# Altium PCB SSR IO.PcbDoc
Units mil, origin at the board's own origin, x right, y up, seen from the top; angles counter-clockwise.
Board outline 3421 x 4245 mil, 2 copper layers (Top Layer, Bottom Layer); 139 components, 126 nets, 425 pads, 86 vias.
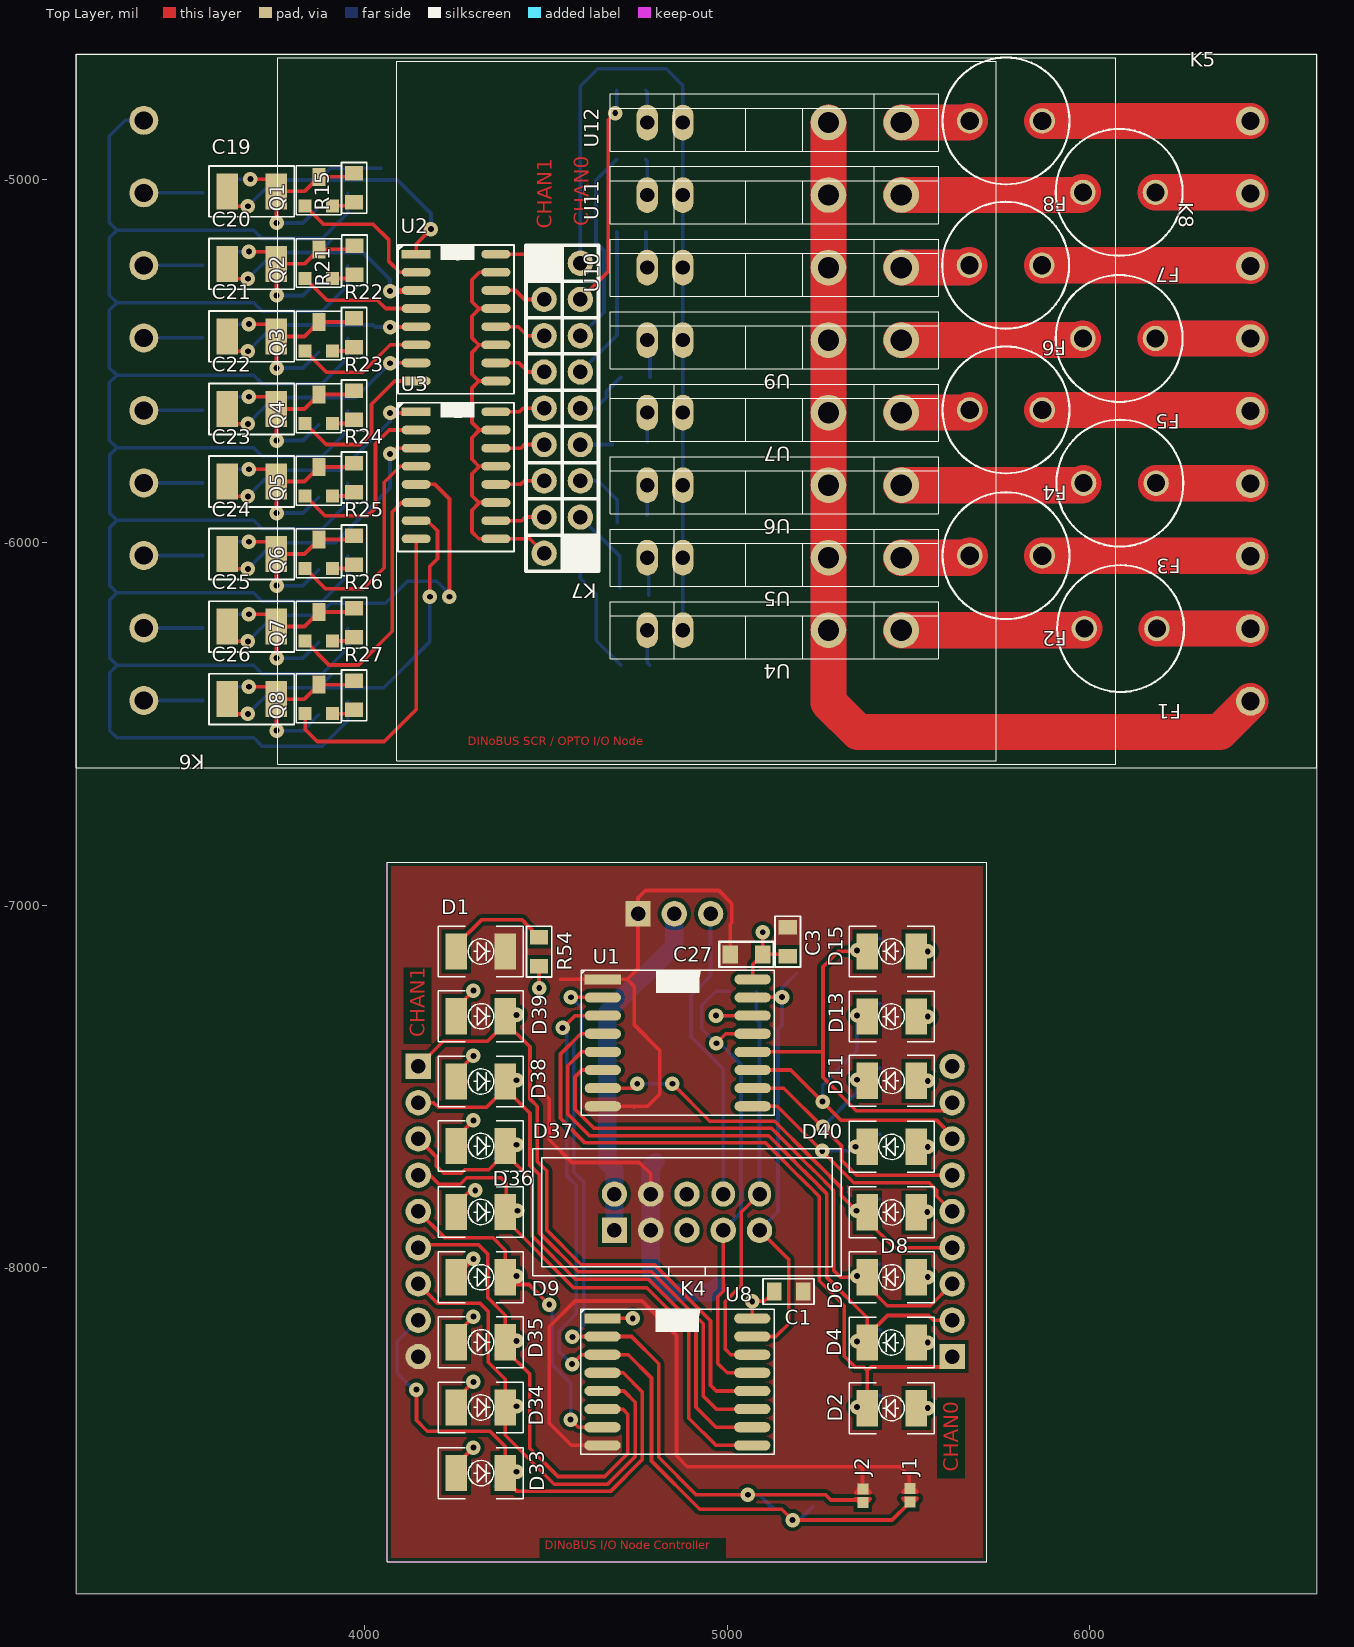
[diagram p0: Top Layer view]
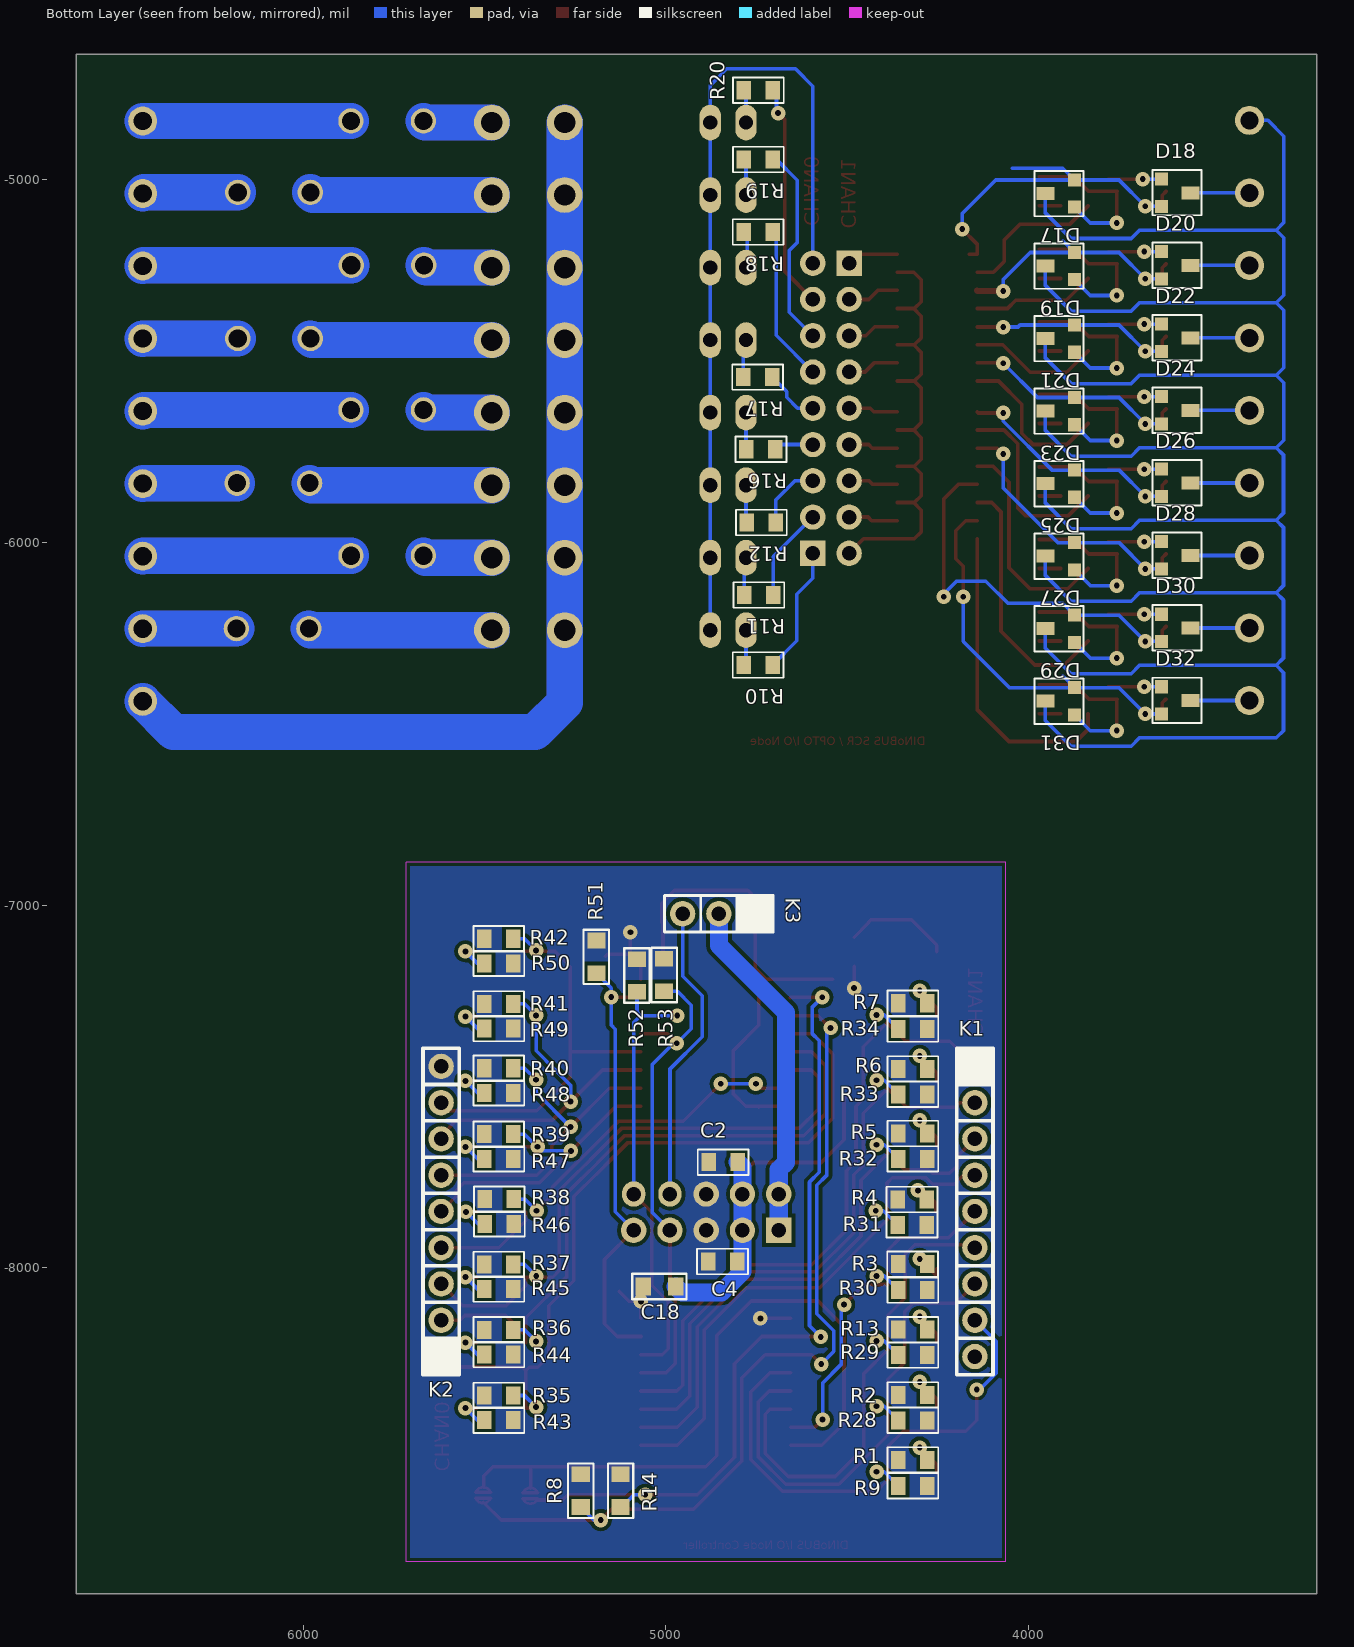
[diagram p1: Bottom Layer view, seen from below]

## Layer stack, top to bottom
Top Layer: signal copper 1.4
Dielectric: core 12.6, FR-4, Dk 4.8
Bottom Layer: signal copper 1.4

## Board outline
3205,-8899 3205,-4654 6626,-4654 6626,-8899

## Design rules (kind name [scope] priority, off if disabled: settings)
AssemblyTestPointUsage [All] p1 off:
AssemblyTestpoint [All] p1 off: testpointundercomponent=TRUE minsize=40 maxsize=100 preferedsize=60 minholesize=0 maxholesize=40 preferedholesize=32 testpointgrid=1 usegrid=TRUE gridtolerance=0.01 allowsidetop=TRUE allowsidebottom=TRUE
Clearance [All] p1: gap=10
ComponentClearance [All] p1 off: gap=10 collisioncheckmode=3 verticalgap=10 showdistances=FALSE
DiffPairsRouting [All] p1 off: maxlimit=10 minlimit=10 mostfreqgap=10 maxuncoupledlength=500
FabricationTestPointUsage TestPointUsage [All] p1 off: valid=0 allowmultiple=FALSE
FabricationTestpoint Testpoint [All] p1 off: side=3 testpointundercomponent=TRUE minsize=40 maxsize=100 preferedsize=60 minholesize=0 maxholesize=40 preferedholesize=32 testpointgrid=1 allowsidetop=TRUE allowsidebottom=TRUE usegrid=TRUE gridtolerance=0.01
FanoutControl Fanout_BGA [IsBGA] p1 off: bgadir=Out bgaviamode=Centered fanoutstyle=Auto fanoutdirection=Alternating viagrid=1 // Fanout_BGA (Default Rule)
FanoutControl Fanout_LCC [IsLCC] p2 off: bgadir=Out bgaviamode=Centered fanoutstyle=Auto fanoutdirection=Alternating viagrid=1 // Fanout_LCC (Default Rule)
FanoutControl Fanout_SOIC [IsSOIC] p3 off: bgadir=Out bgaviamode=Centered fanoutstyle=Auto fanoutdirection=Alternating viagrid=1 // Fanout_SOIC (Default Rule)
FanoutControl Fanout_Small [(CompPinCount < 5)] p4 off: bgadir=Out bgaviamode=Centered fanoutstyle=Auto fanoutdirection=OutThenIn viagrid=1 // Fanout_Small (Default Rule)
FanoutControl Fanout_Default [All] p5 off: bgadir=Out bgaviamode=Centered fanoutstyle=Auto fanoutdirection=Alternating viagrid=1 // Fanout_Default (Default Rule)
Height [All] p1 off: minheight=0 maxheight=1000 prefheight=500
HoleSize [All] p1: absolutevalues=TRUE maxlimit=500 minlimit=1 maxpercent=80.000 minpercent=20.000
LayerPairs [All] p1 off: enforce=TRUE
MinimumAnnularRing "Minimum Annular Ring" [All] p1: minimumring=5 // This is manufacturing dependent. Sierra = 5. This can go to 4 if needed, but keep 5 if possible
MinimumSolderMaskSliver [All] p1 off: minsoldermaskwidth=10
PasteMaskExpansion [All] p1 off: expansion=0
PlaneClearance [All] p1: clearance=6
PlaneConnect "PlaneConnect GND" [InNet('GND')] p1: planeconnectstyle=Direct reliefexpansion=6 reliefentries=4 reliefconductorwidth=10 reliefairgap=6
PlaneConnect "PlaneConnect GENERIC" [All] p2: planeconnectstyle=Relief reliefexpansion=20 reliefentries=4 reliefconductorwidth=10 reliefairgap=10
PolygonConnect [All] p1: connectstyle=Direct reliefconductorwidth=15 reliefentries=4 polygonreliefangle="90 Angle"
RoutingPriority [All] p1 off: routingpriority=0
RoutingTopology [All] p1 off: topology=Shortest
RoutingVias "Routing Vias" [All] p1: holewidth=10 width=30 viastyle="Through Hole" minholewidth=16 minwidth=40 maxholewidth=80 maxwidth=100 // Generic routing via rules
ShortCircuit "Short Circuit Generic Rule" [All] p1: allowed=FALSE // Short circuit Rule : No shorts allowed
SilkToSilkClearance [All] p1 off: silktosilkclearance=10
SilkscreenOverComponentPads [All] p1 off: minsilkscreentomaskgap=10
SolderMaskExpansion "SolderMask Expansion Via's" [(IsVia)] p1: expansion=-40 // Via's should be painted closed. Set to -40
SolderMaskExpansion "Solder Mask Expansion Generic" [All] p2: expansion=2 // Generic solder mask expansion
UnRoutedNet "Un Routed Net" [All] p1:  // Broken Nets not allowed
Width "Generic Width Rules" [All] p1: maxlimit=100 minlimit=10 preferedwidth=10 minimp=50.000000 maximp=50.000000 favimp=50.000000 // Generic width rules applicable if no specific rule is in effect
4 further rules are at their usual default settings.

## Classes and differential pairs
component class "SSR IO INTERFACE": * C19 C20 C21 C22 C23 C24 C25 C26 D17 D18 D19 D20 D21 D22 D23 D24 D25 D26 D27 D28 D29 D30 D31 D32 F1 F2 F3 F4 F5 F6 F7 F8 K5 K6 K7 K8 Q1 Q2 Q3 Q4 Q5 Q6 Q7 Q8 R10 R11 R12 R15 R16 R17 R18 R19 R20 R21 R22 R23 R24 R25 R26 R27 U2 U3 U4 U5 U6 U7 U9 U10 U11 U12
component class "SSR IO LOGIC": C1 C2 C3 C18 C27 D1 D2 D4 D6 D8 D9 D11 D13 D15 D33 D34 D35 D36 D37 D38 D39 D40 J1 J2 K1 K2 K3 K4 R1 R2 R3 R4 R5 R6 R7 R8 R9 R13 R14 R28 R29 R30 R31 R32 R33 R34 R35 R36 R37 R38 R39 R40 R41 R42 R43 R44 R45 R46 R47 R48 R49 R50 R51 R52 R53 R54 U1 U8

## Components (designator, comment, footprint, x,y, rotation, side; value= is the part's Value field where it differs from the comment)
C1 "10uF" 0805C-GENERIC 5139,-8065.81 r0 top
C2 "10uF" 0805C-GENERIC 4872.28,-7709.07 r180 bottom
C3 "10uF" 0805C-GENERIC 5167,-7131 r90 top
C4 "10uF" 0805C-GENERIC 4874,-7983 r180 bottom
C18 "100nF" 0805C 5063,-8052 r180 bottom
C19 "10uF" 1210C-GENERIC 3621,-5032 r0 top
C20 "10uF" 1210C-GENERIC 3621,-5232 r0 top
C21 "10uF" 1210C-GENERIC 3621,-5432 r0 top
C22 "10uF" 1210C-GENERIC 3621,-5632 r0 top
C23 "10uF" 1210C-GENERIC 3621,-5832 r0 top
C24 "10uF" 1210C-GENERIC 3621,-6032 r0 top
C25 "10uF" 1210C-GENERIC 3621,-6232 r0 top
C26 "10uF" 1210C-GENERIC 3621,-6432 r0 top
C27 "100nF" 0805C 5098,-7136 r180 top
D1 "TOPLED-GREEN" TOPLED-GREEN 4253,-7128 r0 top
D2 "TOPLED-GREEN" TOPLED-GREEN 5521.3,-8387.42 r180 top
D4 "TOPLED-GREEN" TOPLED-GREEN 5521.3,-8206.42 r180 top
D6 "TOPLED-GREEN" TOPLED-GREEN 5521.3,-8026.42 r180 top
D8 "TOPLED-GREEN" TOPLED-GREEN 5521.3,-7847.42 r180 top
D9 "TOPLED-GREEN" TOPLED-GREEN 4253,-8026.58 r0 top
D11 "TOPLED-GREEN" TOPLED-GREEN 5521.3,-7484.83 r180 top
D13 "TOPLED-GREEN" TOPLED-GREEN 5521.3,-7307.42 r180 top
D15 "TOPLED-GREEN" TOPLED-GREEN 5521.3,-7127.83 r180 top
D17 "BAT54S-SOT23" SOT23-123 3873.52,-5075.48 r0 bottom
D18 "BAT54S-SOT23" SOT23-123 3633,-4998 r180 bottom
D19 "BAT54S-SOT23" SOT23-123 3873.52,-5275.48 r0 bottom
D20 "BAT54S-SOT23" SOT23-123 3633,-5198 r180 bottom
D21 "BAT54S-SOT23" SOT23-123 3873.52,-5475.48 r0 bottom
D22 "BAT54S-SOT23" SOT23-123 3633,-5398 r180 bottom
D23 "BAT54S-SOT23" SOT23-123 3873.52,-5675.48 r0 bottom
D24 "BAT54S-SOT23" SOT23-123 3633,-5598 r180 bottom
D25 "BAT54S-SOT23" SOT23-123 3873.52,-5875.48 r0 bottom
D26 "BAT54S-SOT23" SOT23-123 3633,-5798 r180 bottom
D27 "BAT54S-SOT23" SOT23-123 3873.52,-6075.48 r0 bottom
D28 "BAT54S-SOT23" SOT23-123 3633,-5998 r180 bottom
D29 "BAT54S-SOT23" SOT23-123 3873.52,-6275.48 r0 bottom
D30 "BAT54S-SOT23" SOT23-123 3633,-6198 r180 bottom
D31 "BAT54S-SOT23" SOT23-123 3873.52,-6475.48 r0 bottom
D32 "BAT54S-SOT23" SOT23-123 3633,-6398 r180 bottom
D33 "TOPLED-GREEN" TOPLED-GREEN 4253,-8566.58 r0 top
D34 "TOPLED-GREEN" TOPLED-GREEN 4253,-8385.58 r0 top
D35 "TOPLED-GREEN" TOPLED-GREEN 4253,-8205.58 r0 top
D36 "TOPLED-GREEN" TOPLED-GREEN 4253,-7846.58 r0 top
D37 "TOPLED-GREEN" TOPLED-GREEN 4253,-7664.58 r0 top
D38 "TOPLED-GREEN" TOPLED-GREEN 4253,-7486.58 r0 top
D39 "TOPLED-GREEN" TOPLED-GREEN 4253,-7306.58 r0 top
D40 "TOPLED-GREEN" TOPLED-GREEN 5521.3,-7666.83 r180 top
F1 "FUSE-372SERIES" FUSE-372 6184.73,-6237.58 r180 top
F2 "FUSE-372SERIES" FUSE-372 5868.73,-6036.58 r180 top
F3 "FUSE-372SERIES" FUSE-372 6182.73,-5836.58 r180 top
F4 "FUSE-372SERIES" FUSE-372 5868.73,-5634.58 r180 top
F5 "FUSE-372SERIES" FUSE-372 6180.73,-5437.58 r180 top
F6 "FUSE-372SERIES" FUSE-372 5867.73,-5235.58 r180 top
F7 "FUSE-372SERIES" FUSE-372 6180.73,-5034.58 r180 top
F8 "FUSE-372SERIES" FUSE-372 5868.73,-4837.58 r180 top
J1 "A2" BYPASS#1 5504,-8646.58 r90 top
J2 "A1" BYPASS#2 5374,-8648 r90 top
K1 "HEADER-1X9" HEADER-1X9 4148,-7445 r180 bottom
K2 "HEADER-1X9" HEADER-1X9 5620,-8245 r0 bottom
K3 "HEADER-1X3" HEADER-1X3 4754,-7024 r270 bottom
K4 "DINOBUS" IDC10-B 4689,-7897 r0 top
K5 "PRKR-9-5.08MM" PRKR-9-5.08MM 6443,-6438 r90 top
K6 "PRKR-9-5.08MM" PRKR-9-5.08MM 3391,-4836 r270 top
K7 "HEADER-1X9" HEADER-1X9 4595,-6030 r180 top
K8 "HEADER-1X9" HEADER-1X9 4495,-5230 r0 top
Q1 "MMBF4391" SOT23-DSG 3836,-5072 r90 top
Q2 "MMBF4391" SOT23-DSG 3836,-5272 r90 top
Q3 "MMBF4391" SOT23-DSG 3836,-5472 r90 top
Q4 "MMBF4391" SOT23-DSG 3836,-5672 r90 top
Q5 "MMBF4391" SOT23-DSG 3836,-5872 r90 top
Q6 "MMBF4391" SOT23-DSG 3836,-6072 r90 top
Q7 "MMBF4391" SOT23-DSG 3836,-6272 r90 top
Q8 "MMBF4391" SOT23-DSG 3836,-6472 r90 top
R1 "330R" 0805R-330#1 4279,-8530 r0 bottom
R2 "330R" 0805R-330#1 4279,-8351 r0 bottom
R3 "330R" 0805R-330#1 4280,-7990 r0 bottom
R4 "330R" 0805R-330#1 4281.4,-7812 r0 bottom
R5 "330R" 0805R-330#1 4279,-7630 r0 bottom
R6 "330R" 0805R-330#1 4279,-7452 r0 bottom
R7 "330R" 0805R-330#1 4279,-7271 r0 bottom
R8 "10K" 0805R 5235,-8660 r90 bottom
R9 "10K" 0805R-10K 4359,-8602 r180 bottom
R10 "330R" 0805R-330#1 4706,-6338 r0 bottom
R11 "330R" 0805R-330#1 4704,-6145 r0 bottom
R12 "330R" 0805R-330#1 4697,-5945 r0 bottom
R13 "330R" 0805R-330#1 4279,-8171 r0 bottom
R14 "10K" 0805R 5125,-8660 r90 bottom
R15 "330R" 0805R-330#1 3971,-5062 r90 top
R16 "330R" 0805R-330#1 4698,-5743 r0 bottom
R17 "330R" 0805R-330#1 4707,-5544 r0 bottom
R18 "330R" 0805R-330#1 4706,-5144 r0 bottom
R19 "330R" 0805R-330#1 4705,-4944 r0 bottom
R20 "330R" 0805R-330#1 4705,-4753 r0 bottom
R21 "330R" 0805R-330#1 3972,-5262 r90 top
R22 "330R" 0805R-330#1 3971,-5462 r90 top
R23 "330R" 0805R-330#1 3971,-5662 r90 top
R24 "330R" 0805R-330#1 3971,-5861 r90 top
R25 "330R" 0805R-330#1 3971,-6062 r90 top
R26 "330R" 0805R-330#1 3971,-6262 r90 top
R27 "330R" 0805R-330#1 3971,-6462 r90 top
R28 "10K" 0805R-10K 4359,-8421 r180 bottom
R29 "10K" 0805R-10K 4359,-8241 r180 bottom
R30 "10K" 0805R-10K 4359,-8062 r180 bottom
R31 "10K" 0805R-10K 4361.4,-7882 r180 bottom
R32 "10K" 0805R-10K 4359,-7700 r180 bottom
R33 "10K" 0805R-10K 4359,-7522 r180 bottom
R34 "10K" 0805R-10K 4359,-7342 r180 bottom
R35 "10K" 0805R-10K 5421.13,-8352.48 r0 bottom
R36 "10K" 0805R-10K 5421.13,-8171.48 r0 bottom
R37 "10K" 0805R-10K 5421.07,-7990.98 r0 bottom
R38 "10K" 0805R-10K 5419.77,-7811.15 r0 bottom
R39 "10K" 0805R-10K 5421.13,-7631.89 r0 bottom
R40 "10K" 0805R-10K 5421.13,-7449.89 r0 bottom
R41 "10K" 0805R-10K 5421.13,-7272.48 r0 bottom
R42 "10K" 0805R-10K 5421.13,-7092.89 r0 bottom
R43 "330R" 0805R-330#1 5501,-8420.58 r180 bottom
R44 "330R" 0805R-330#1 5501,-8239.58 r180 bottom
R45 "330R" 0805R-330#1 5500.94,-8059.09 r180 bottom
R46 "330R" 0805R-330#1 5499.64,-7879.26 r180 bottom
R47 "330R" 0805R-330#1 5501,-7700 r180 bottom
R48 "330R" 0805R-330#1 5501,-7518 r180 bottom
R49 "330R" 0805R-330#1 5501,-7340.58 r180 bottom
R50 "330R" 0805R-330#1 5501,-7161 r180 bottom
R51 "10K" 0805R 5192,-7188 r90 bottom
R52 "10K" 0805R 5080,-7239.37 r90 bottom
R53 "10K" 0805R 5005,-7238 r90 bottom
R54 "330R" 0805R-330#2 4481,-7098.6 r270 top
U1 "PCA9534" SO16W 4657,-7205 r0 top
U2 "ACPL227" SO16 4142,-5205 r0 top
U3 "ACPL227" SO16 4142,-5640 r0 top
U4 "S202T02" S202T02 5129.61,-6242 r180 top
U5 "S202T02" S202T02 5129.61,-6042 r180 top
U6 "S202T02" S202T02 5129.61,-5842 r180 top
U7 "S202T02" S202T02 5129.61,-5642 r180 top
U8 "PCA9534" SO16W 4656,-8140 r0 top
U9 "S202T02" S202T02 5129.61,-5442 r180 top
U10 "S202T02" S202T02 5129.61,-5242 r180 top
U11 "S202T02" S202T02 5129.61,-5042 r180 top
U12 "S202T02" S202T02 5129.61,-4842 r180 top

## Footprints (in the part's own frame and the unit in brackets; to place one, negate y for a bottom-side part, rotate by r counter-clockwise, add the part's x,y. Pads: shape width x height; smd on the part's side, far side on the other; paste and mask are expansions set on the pad)
0805C [mm]
  rect 1.1x1.27 smd: 1(0,0) 2(2.286,0)
  silkscreen extent -0.76,-0.89 3.05,0.89, body extent -0.25,-0.64 2.41,0.64, height 0.66
0805C-GENERIC [mil] "CAPACITOR 0805"
  rect 40x50 smd: 1(-10,0) 2(70,0)
  silkscreen extent -40,-35 100,35, body extent -11,-25 70,25, height 26
0805R [mm]
  rect 1.1x1.27 smd: 1(0,0) 2(2.286,0)
  silkscreen extent -0.76,-0.89 3.05,0.89, body extent 0,-0.64 2.29,0.64, height 0.66
0805R-10K [mil] "RESISTOR 0805"
  rect 40x50 smd: 1(0,0) 2(80,0)
  silkscreen extent -30,-35 110,35, body extent -1,-25 80,25, height 27
0805R-330#1 [mil] "RESISTOR 0805"
  rect 40x50 smd: 1(0,0) 2(80,0)
  silkscreen extent -30,-35 110,35, body extent -1,-25 80,25, height 27
0805R-330#2 [mil] "RESISTOR 0805"
  rect 40x50 smd: 1(-10,0) 2(70,0)
  silkscreen extent -40,-35 100,35, body extent -11,-25 70,25, height 27
1210C-GENERIC [mil]
  rect 60x100 smd: 1(0,0) 2(135,0)
  silkscreen extent -50,-70 185,70, body extent -10,-50 145,50, height 46
BYPASS#1 [mil]
  rect 30x30 smd mask+4: 1(0,0) 2(38,0)
  Top Layer lines w8: 10.83,20.43 ccw(c19,0) -2.82,2.82 ccw(c19,0) 10.83,-20.43 ; 27.17,20.43 cw(c19,0) 41,0 cw(c19,0) 40.98,-1 cw(c19,0) 38,-11.09 cw(c19,0) 27.17,-20.43
  Top Layer lines w10: 10.83,20.43 10.83,0 10.83,-20.43 ; 27.17,20.43 27.17,0 27.17,-20.43
BYPASS#2 [mil]
  rect 30x30 smd mask+4: 1(0,0) 2(38,0)
  Top Layer lines w8: 10.83,20.43 ccw(c19,0) 10.83,-20.43 ; 27.17,20.43 cw(c19,0) 40.98,1 cw(c19,0) 40.98,-1 cw(c19,0) 38,-11.09 cw(c19,0) 27.17,-20.43
  Top Layer lines w10: 10.83,20.43 10.83,0 10.83,-20.43 ; 27.17,20.43 27.17,0 27.17,-1 27.17,-20.43
FUSE-372 [mil]
  round 70 hole 50 unplated mask+2: 1(0,0) 2(200,0)
  silkscreen extent -75,-175 275,175, body extent -66,-167 267,167, height 315
HEADER-1X3 [mil]
  rect 70x70 hole 40: 1(0,0)
  round 70 hole 40: 2(0,-100) 3(0,-200)
  silkscreen extent -50,-250 50,50, body extent -50,-250 50,50, height 470
HEADER-1X9 [mil]
  rect 70x70 hole 40: 1(0,0)
  round 70 hole 40: 2(0,-100) 3(0,-200) 4(0,-300) 5(0,-400) 6(0,-500) 7(0,-600) 8(0,-700) 9(0,-800)
  silkscreen extent -50,-850 50,50, body extent -50,-850 50,50, height 470
IDC10-B [mil]
  rect 70x70 hole 40: 1(0,0)
  round 70 hole 40: 2(0,100) 3(100,0) 4(100,100) 5(200,0) 6(200,100) 7(300,0) 9(400,0)
  oval 64x70 hole 40: 8(300,100) 10(400,100)
  silkscreen extent -225,-125 625,225, body extent -225,-125 625,225, height 358
PRKR-9-5.08MM [mil]
  round 80 hole 50 unplated mask+2: 1(0,0) 2(200,0) 3(400,0) 4(600,0) 5(800,0) 6(1000,0) 7(1200,0) 8(1400,0) 9(1600,0)
  body extent -100,-177 1720,177, height 598
S202T02 [mm]
  oval 1.5x2.5 hole 1 unplated mask+0.051: A(6.4,0) K(8.9,0)
  round 2.5 hole 1.5 unplated mask+0.051: AC1(-8.9,0) AC2(-3.8,0)
  silkscreen extent -11.5,-2 11.5,2, body extent -11.5,-2 11.5,2, height 20
SO16 [mil]
  rect 80x24 smd: 1(0,0)
  oval 80x24 smd: 2(0,-50) 3(0,-100) 4(0,-150) 5(0,-200) 6(0,-250) 7(0,-300) 8(0,-350) 9(220,-350) 10(220,-300) 11(220,-250) 12(220,-200) 13(220,-150) 14(220,-100) 15(220,-50) 16(220,0)
  silkscreen extent -50,-385 270,25, body extent -20,-385 240,25, height 61
SO16W [mil]
  rect 100x28 smd: 1(0,0)
  oval 100x28 smd: 2(0,-50) 3(0,-100) 4(0,-150) 5(0,-200) 6(0,-250) 7(0,-300) 8(0,-350) 9(413,-350) 10(413,-300) 11(413,-250) 12(413,-200) 13(413,-150) 14(413,-100) 15(413,-50) 16(413,0)
  silkscreen extent -60,-375 473,25, body extent 5,-375 407,27, height 61
SOT23-123 [mil]
  rect 36x36 smd: 1(0,0) 2(0,-75)
  rect 50x36 smd: 3(80,-38)
  silkscreen extent -25,-100 110,25, body extent -3,-95 94,20, height 41
SOT23-DSG [mil] "SOT23 DRAING SOURCE GATE ORDER"
  rect 36x36 smd: D(0,0) S(0,-75)
  rect 50x36 smd: G(80,-38)
  silkscreen extent -25,-100 110,25, body extent -3,-95 94,20, height 41
TOPLED-GREEN [mil]
  rect 60x100 smd: A(0,0) K(135,0)
  silkscreen extent -50,-70 185,70, body extent -20,-60 154,60, height 75

## Part data
C1 C2 C3 C4: library part 0805C-10UF-16V-X5R-TDK, "CAPACITOR 0805 CERAMIC"
C18 C27: library part 0805C-100NF, "CAPACITOR NONPOLARISED"
C19 C20 C21 C22 C23 C24 C25 C26: library part 1210C-10UF-50V-TDK, "GENERIC CAPACITOR NON POLARISED 1210"
D17 D18 D19 D20 D21 D22 D23 D24 D25 D26 D27 D28 D29 D30 D31 D32: "DUAL SCHOTTKY DIODE SERIES"
F1 F2 F3 F4 F5 F6 F7 F8: "FUSE-372"
J1 J2: library part BYPASS
K4: "BOXHEADER 10 PIN"
R1 R2 R3 R4 R5 R6 R7 R10 R11 R12 R13 R15 R16 R17 R18 R19 R20 R21 R22 R23 R24 R25 R26 R27 R43 R44 R45 R46 R47 R48 R49 R50 R54: library part 0805R-330, "RESISTOR 0805 1/4 WATT THIN FILM"
R8 R14 R51 R52 R53: library part 0805R-10K, "RESISTOR VALUE AS INDICATED"
R9 R28 R29 R30 R31 R32 R33 R34 R35 R36 R37 R38 R39 R40 R41 R42: library part 0805R-10k, "RESISTOR 0805 1/4 WATT THIN FILM"
U1 U8: "OCTAL PUSH PULL DRIVER I2C"
U2 U3: "QUAD OPTOCOUPLER"

## Via types
v1: diameter 40, hole 16, Top Layer to Bottom Layer, 86 vias
